# Altium PCB PCB1.PcbDoc
Units mm, origin at the board's own origin, x right, y up, seen from the top; angles counter-clockwise.
Board outline 100.33 x 81.91 mm, 2 copper layers (Top Layer, Bottom Layer); 21 components, 33 nets, 152 pads, 47 vias.
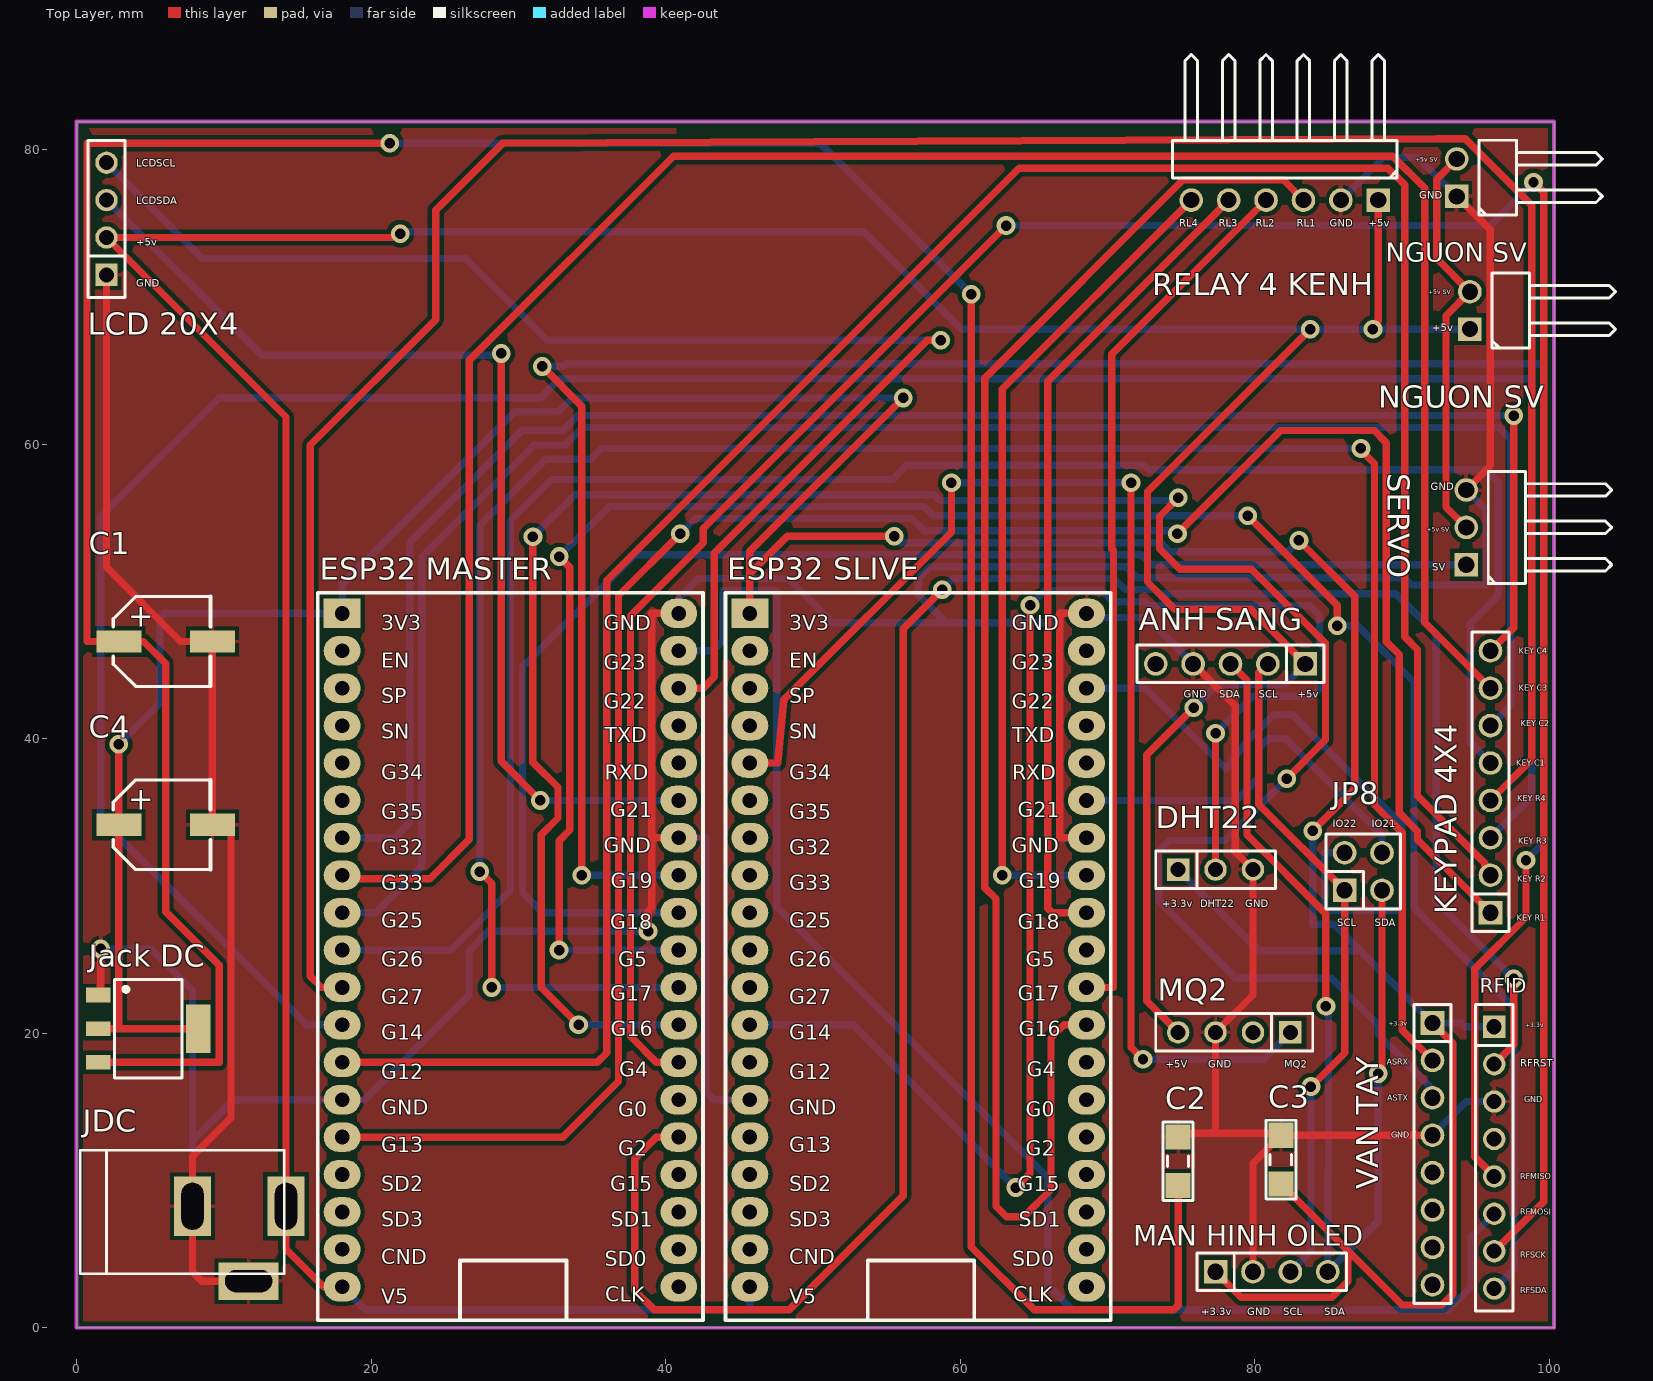
[diagram p0: Top Layer view]
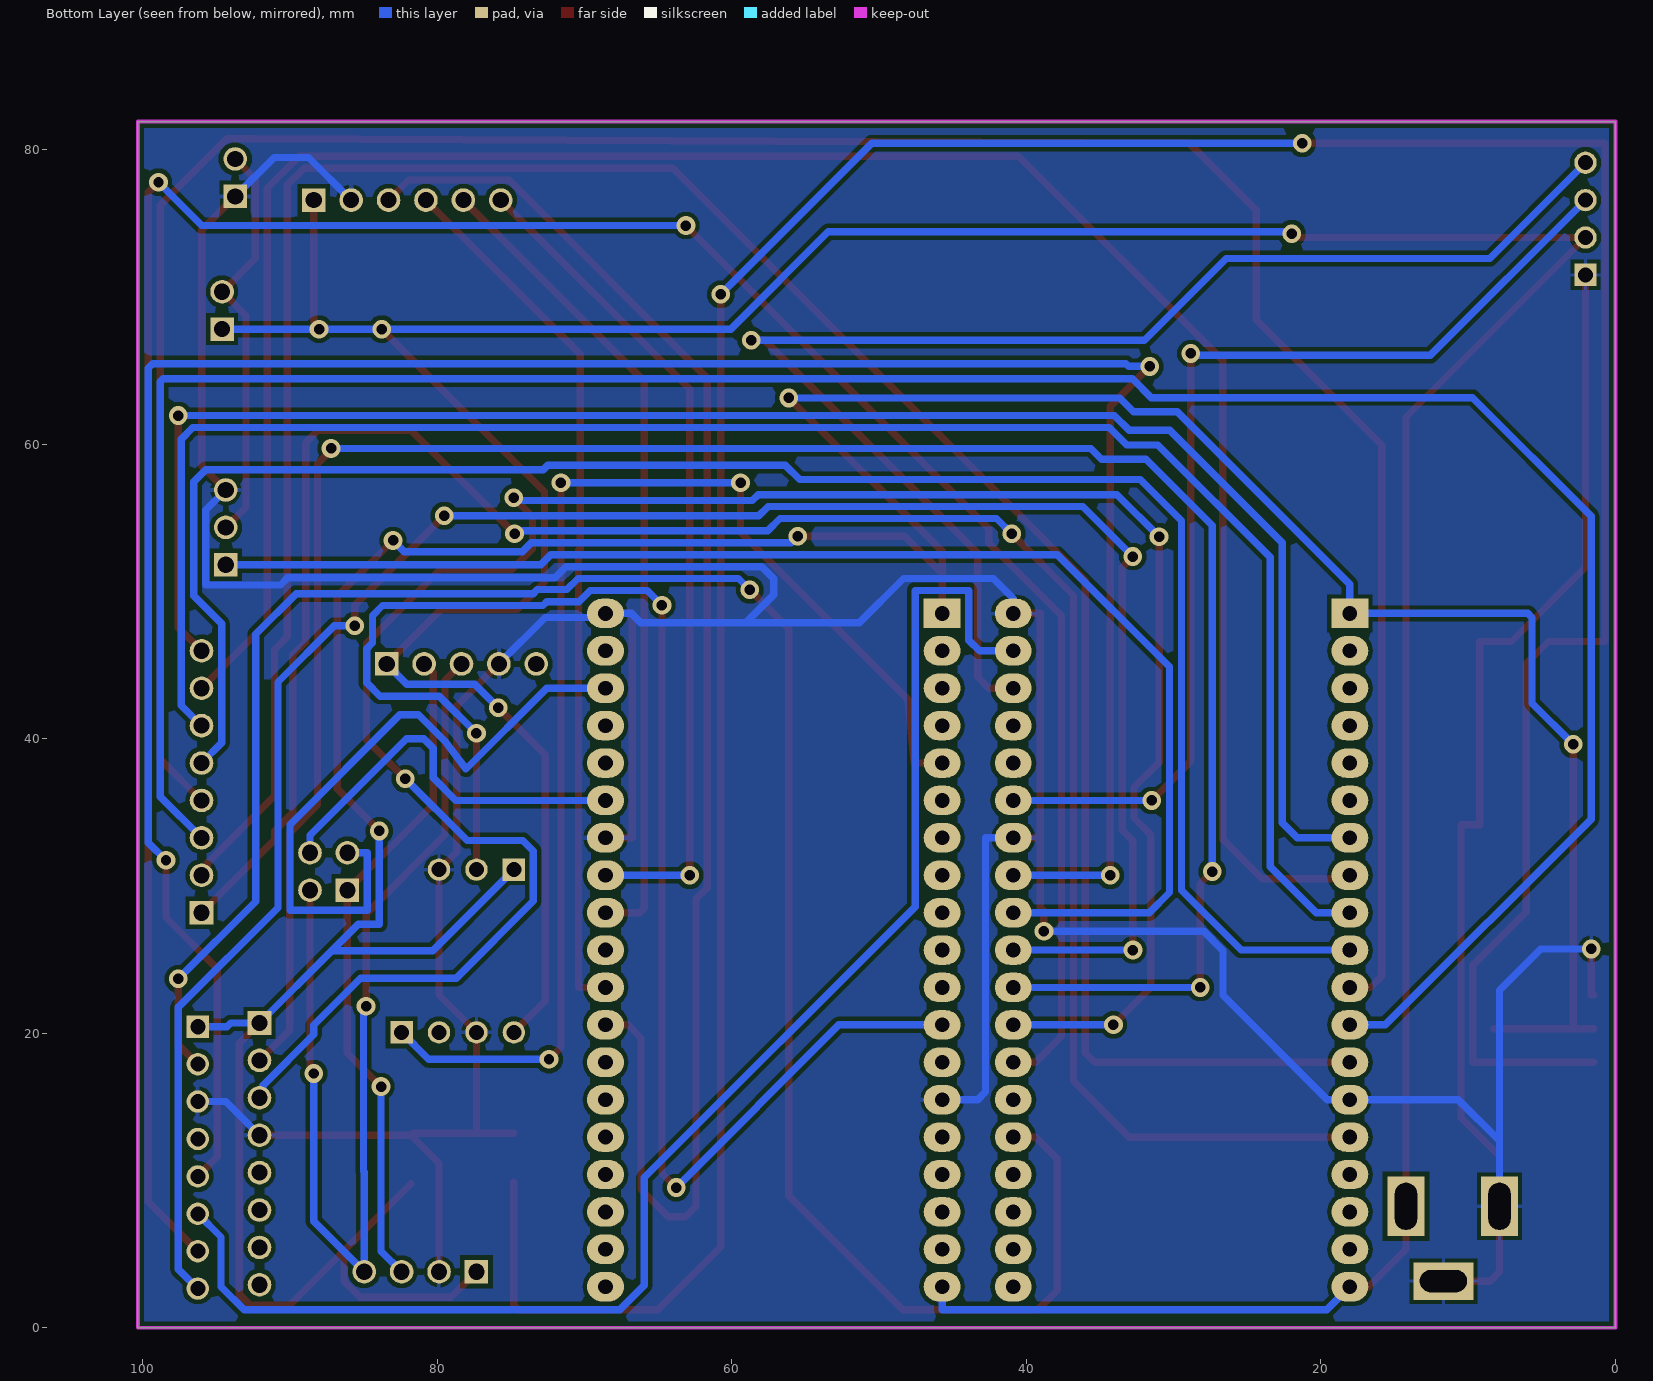
[diagram p1: Bottom Layer view, seen from below]
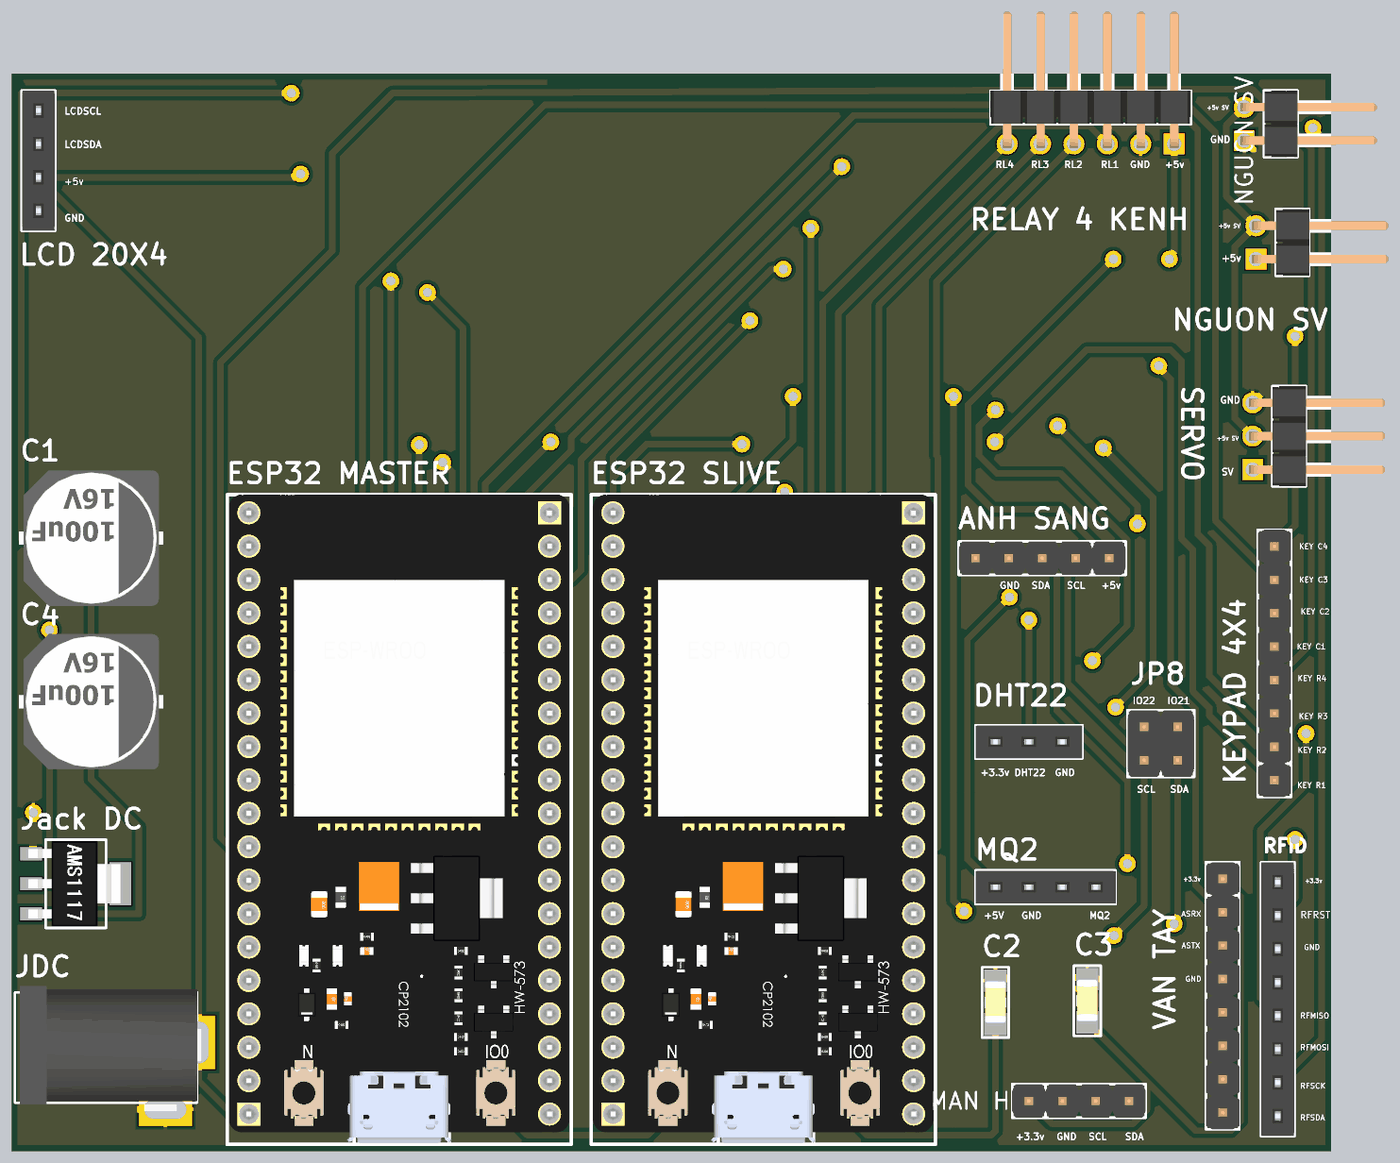
[diagram p2: 3D render of the assembled board from above, using the file's embedded part models]

## Layer stack, top to bottom
Top Solder: solder mask 0.0102, Solder Resist, Dk 3.5
Top Layer: signal copper 0.0356
Dielectric 1: dielectric 0.32, FR-4, Dk 4.8
Bottom Layer: signal copper 0.0356
Bottom Solder: solder mask 0.0102, Solder Resist, Dk 3.5

## Board outline
0,0 0,81.915 100.33,81.915 100.33,0

## Design rules (kind name [scope] priority, off if disabled: settings)
Clearance [All] p1: gap=0.31 ignorepadtopadclearanceinfootprint=FALSE
HoleSize [All] p1: absolutevalues=TRUE maxlimit=3.81 minlimit=0.025 maxpercent=80.000 minpercent=20.000
PolygonConnect [All] p1: connectstyle=Relief reliefconductorwidth=0.254 reliefentries=4 polygonreliefangle="90 Angle" airgapwidth=0.254
RoutingVias [All] p1: holewidth=0.711 width=1.27 viastyle="Through Hole" minholewidth=0.711 minwidth=1.27 maxholewidth=0.711 maxwidth=1.27
SolderMaskExpansion [All] p1: expansion=0.102 istentingtop=FALSE
Width +3.3v [All] p1: maxlimit=0.55 minlimit=0.4 preferedwidth=0.5
Width GND [All] p2: maxlimit=0.55 minlimit=0.4 preferedwidth=0.5
Width +5V [All] p3: maxlimit=0.55 minlimit=0.3 preferedwidth=0.5
Width [All] p4: maxlimit=0.5 minlimit=0.2 preferedwidth=0.3
29 further rules are at their usual default settings.

## Components (designator, comment, footprint, x,y, rotation, side; value= is the part's Value field where it differs from the comment)
"ANH SANG" "BH1750FVI" "JP 1x5 DT" 83.439,45.085 r180 top
C1 "100uF" 100UF/16V_SMD 6.046,46.609 r0 top
C2 "104" "tu 1206" 74.803,11.304 r90 top
C3 "104" "tu 1206" 81.788,11.43 r90 top
C4 "100uF" 100UF/16V_SMD 6.046,34.163 r0 top
DHT22 "DHT22" "JP 1x3 CT" 74.803,31.115 r0 top
"ESP32 MASTER" "ESP32 MASTER" ESP32_38 29.464,25.654 r0 top
"ESP32 SLIVE" "ESP32 SLIVE" ESP32_38 57.15,25.654 r0 top
"Jack DC" "AMS1117" AMS1117 4.873,20.32 r0 top
JDC "Jac DC" DC-IN 11.049,5.715 r0 top
JP8 "JP 2x2 2.54" "JP 2x2 DT" 87.376,30.988 r0 top
"KEYPAD 4X4" "KEYPAD" "JP 1x8 DT" 96.012,28.194 r90 top
"LCD 20X4" "20X4 LCD I2C" "JP 1x4 CT" 2.032,71.501 r90 top
"MAN HINH OLED" "OLED" "JP 1x4 DT" 77.343,3.81 r0 top
MQ2 "MQ2" "JP 1x4 CT" 82.423,20.066 r180 top
"NGUON SV" "Nguồn SERVO" "JP 1x2 DC" 93.726,76.835 r90 top
"NGUON SV" "Nguồn" "JP 1x2 DC" 94.615,67.818 r90 top
"RELAY 4 KENH" "RELAY 4 KÊNH" "JP 1x6 DC" 74.422,79.121 r180 top
RFID "JP 1x8 2.54" "JP 1x8 CT" 96.266,20.447 r270 top
SERVO "SERVO" "JP 1x3 DC" 96.901,58.166 r90 top
"VAN TAY" "JP 1x8 2.54" "JP 1x8 DT" 92.075,20.701 r270 top

## Footprints (in the part's own frame and the unit in brackets; to place one, negate y for a bottom-side part, rotate by r counter-clockwise, add the part's x,y. Pads: shape width x height; smd on the part's side, far side on the other; paste and mask are expansions set on the pad)
100UF/16V_SMD [mil]
  rect 120x60 smd: 1(-125,0) 2(125,0)
  silkscreen extent -140,-120 120,120, body extent -217,-203 217,203, height 311
AMS1117 [mm] "SOT-223"
  rect 1.65x1 smd: 1(-3.4,2.29) 2(-3.4,0) 3(-3.4,-2.29)
  rect 1.65x3.3 smd: 2(3.4,0)
  silkscreen extent -2.3,-3.35 2.3,3.35, body extent -3.6,-3.25 3.4,3.25, height 1.87
DC-IN [mm] "Jac DC input"
  rect 2.54x4.064 hole 1.5 slot 3.2 at 90 deg: 1(3.175,2.54) 2(-3.175,2.54)
  rect 4.064x2.54 hole 1.5 slot 3.2 at 0 deg: 3(0.635,-2.54)
  silkscreen extent -10.79,-2.03 3.05,6.35, body extent -10.42,-2.67 3.4,6.84, height 11.02
ESP32_38 [mm] "Microcontoller Board 38 Pins Wifi 2.4GHz BLE 4.2 ESP32-WROOM-32D"
  rect 2.5x2 hole 1: 1(-11.43,22.86)
  oval 2.5x2 hole 1: 2(-11.43,20.32) 3(-11.43,17.78) 4(-11.43,15.24) 5(-11.43,12.7) 6(-11.43,10.16) 7(-11.43,7.62) 8(-11.43,5.08) 9(-11.43,2.54) 10(-11.43,0) 11(-11.43,-2.54) 12(-11.43,-5.08) 13(-11.43,-7.62) 14(-11.43,-10.16) 15(-11.43,-12.7) 16(-11.43,-15.24) 17(-11.43,-17.78) 18(-11.43,-20.32) 19(-11.43,-22.86) 20(11.43,-22.86) 21(11.43,-20.32) 22(11.43,-17.78) 23(11.43,-15.24) 24(11.43,-12.7) 25(11.43,-10.16) 26(11.43,-7.62) 27(11.43,-5.08) 28(11.43,-2.54) 29(11.43,0) 30(11.43,2.54) 31(11.43,5.08) 32(11.43,7.62) 33(11.43,10.16) 34(11.43,12.7) 35(11.43,15.24) 36(11.43,17.78) 37(11.43,20.32) 38(11.43,22.86)
  silkscreen extent -13.08,-25.15 13.08,24.26, body extent -12.95,-25.04 12.95,24.28, height 7.2
"JP 1x2 DC" [mm] "JP 1x2 DC"
  rect 1.6x1.6 hole 1.1: 1(0,0)
  round 1.6 hole 1.1: 2(2.54,0)
  silkscreen extent -1.27,-9.88 3.81,-1.5, body extent -1.27,-10.06 3.81,0.3, height 2.55
"JP 1x3 CT" [mm]
  rect 1.52x1.52 hole 1.02: 1(0,0)
  round 1.52 hole 1.02: 2(2.54,0) 3(5.08,0)
  silkscreen extent -1.52,-1.27 6.6,1.27, body extent -1.52,-1.25 6.6,1.25, height 8.51
"JP 1x3 DC" [mm]
  rect 1.6x1.6 hole 1.1: 1(-6.35,2.54)
  round 1.6 hole 1.1: 2(-3.81,2.54) 3(-1.27,2.54)
  silkscreen extent -7.62,-7.34 0,1.04, body extent -7.62,-7.52 0,2.84, height 2.55
"JP 1x4 CT" [mm]
  rect 1.52x1.52 hole 1.02: 1(0,0)
  round 1.52 hole 1.02: 2(2.54,0) 3(5.08,0) 4(7.62,0)
  silkscreen extent -1.52,-1.27 9.14,1.27, body extent -1.52,-1.25 9.14,1.25, height 8.51
"JP 1x4 DT" [mm] "4 pins, 1 row, straight, gold plating"
  rect 1.6x1.6 hole 1.1: 1(0,0)
  round 1.6 hole 1.1: 2(2.54,0) 3(5.08,0) 4(7.62,0)
  silkscreen extent -1.27,-1.27 8.89,1.27, body extent -1.27,-1.27 8.89,1.27, height 8.54
"JP 1x5 DT" [mm] "5 pins, 1 row, straight, gold plating"
  rect 1.6x1.6 hole 1.1: 1(0,0)
  round 1.6 hole 1.1: 2(2.54,0) 3(5.08,0) 4(7.62,0) 5(10.16,0)
  silkscreen extent -1.27,-1.27 11.43,1.27, body extent -1.27,-1.27 11.43,1.27, height 8.54
"JP 1x6 DC" [mm] "6 pins, 1 row, right angled, gold plating"
  rect 1.6x1.6 hole 1.1: 1(-13.97,2.54)
  round 1.6 hole 1.1: 2(-11.43,2.54) 3(-8.89,2.54) 4(-6.35,2.54) 5(-3.81,2.54) 6(-1.27,2.54)
  silkscreen extent -15.24,-7.34 0,1.04, body extent -15.24,-7.52 0,2.84, height 2.54
"JP 1x8 CT" [mm] "8 row, straight, gold plating"
  rect 1.52x1.52 hole 1.02: 1(0,0)
  round 1.52 hole 1.02: 2(2.54,0) 3(5.08,0) 4(7.62,0) 5(10.16,0) 6(12.7,0) 7(15.24,0) 8(17.78,0)
  silkscreen extent -1.52,-1.27 19.3,1.27, body extent -1.52,-1.25 19.3,1.25, height 8.51
"JP 1x8 DT" [mm] "8 pins, 1 row, straight, gold plating"
  rect 1.6x1.6 hole 1.1: 1(0,0)
  round 1.6 hole 1.1: 2(2.54,0) 3(5.08,0) 4(7.62,0) 5(10.16,0) 6(12.7,0) 7(15.24,0) 8(17.78,0)
  silkscreen extent -1.27,-1.27 19.05,1.27, body extent -1.27,-1.27 19.05,1.27, height 8.54
"JP 2x2 DT" [mm] "JP 2x2 DT"
  rect 1.6x1.6 hole 1.1: 1(-1.27,-1.27)
  round 1.6 hole 1.1: 2(1.27,-1.27) 3(1.27,1.27) 4(-1.27,1.27)
  silkscreen extent -2.54,-2.54 2.54,2.54, body extent -2.54,-2.54 2.54,2.54, height 8.55
"tu 1206" [mm]
  rect 1.7x1.7 smd: 1(-1.65,0) 2(1.65,0)
  silkscreen extent -2.67,-1.02 2.67,1.02, body extent -1.57,-0.8 1.63,0.8, height 0.94

## Part data
"ANH SANG": library part "JP 1x5 2.54 Duc Thang", "Cắm", Chung_Loai=Cắm, Don_Vi=Con, Ma_Hang=MH000903, Ten_Linh_Kien="Jump Đơn Đực 2.54MM 1x40P Thẳng 11MM"
C1 C4: library part Cap100uF_SMD
C2 C3: library part "Tu 1206 104 50V 20%", "Dán", Chung_Loai=Dán, Don_Vi=Con, Ma_Hang=MH004544, So_Chan=2, Ten_Linh_Kien="Tụ 1206 104-0.1uF 20% 50V"
DHT22: library part "JP 1x3 2.54 Cai Thang", "Cắm", Chung_Loai=Cắm, Don_Vi=Con, Ma_Hang=MH004006, Ten_Linh_Kien="Jump Đơn Cái 2.54MM 1x20P Thẳng"
"ESP32 MASTER" "ESP32 SLIVE": library part ESP32_38, "Microcontoller Board 38 Pins Wifi 2.4GHz BLE 4.2 ESP32-WROOM-32D", ComponentLink1Description=Datasheet, ComponentLink1URL=https://www.mouser.com/datasheet/2/891/esp32_wroom_32d_esp32_wroom_32u_datasheet_en-1365844.pdf
"Jack DC": "IC REG LINEAR 1A SOT-89-3L", JLCPCB PN=C963410, ComponentLink1Description=Datasheet, ComponentLink1URL=http://www.advanced-monolithic.com/pdf/ds1117.pdf, Digikey PN=4518-AMS1117-3.3CT-ND
JDC: library part DCIN, "Jac DC input"
JP8: library part "JP 2x2 2.54 Duc Thang", "Cắm", Chung_Loai=Cắm, Don_Vi=Con, Ma_Hang=MH002686, Ten_Linh_Kien="Jump Đôi Đực 2.54MM 2x40P Thẳng 11MM"
"KEYPAD 4X4" "VAN TAY": library part "JP 1x8 2.54 Duc Thang", "Cắm", Chung_Loai=Cắm, Don_Vi=Con, Ma_Hang=MH000903, Ten_Linh_Kien="Jump Đơn Đực 2.54MM 1x40P Thẳng 11MM"
"LCD 20X4" MQ2: library part "JP 1x4 2.54 Cai Thang", "Cắm", Chung_Loai=Cắm, Don_Vi=Con, Ma_Hang=MH004006, Ten_Linh_Kien="Jump Đơn Cái 2.54MM 1x20P Thẳng"
"MAN HINH OLED": library part "JP 1x4 2.54 Duc Thang", "Cắm", Chung_Loai=Cắm, Don_Vi=Con, Ma_Hang=MH000903, Ten_Linh_Kien="Jump Đơn Đực 2.54MM 1x40P Thẳng 11MM"
"NGUON SV" "NGUON SV": library part "JP 1x2 2.54 Duc Cong", "Cắm", Chung_Loai=Cắm, Don_Vi=Con, Ma_Hang=MH000904, Ten_Linh_Kien="Jump Đơn Đực 2.54MM 1x40P Cong Đứng"
"RELAY 4 KENH": library part "JP 1x6 2.54 Duc Cong", "Cắm", Chung_Loai=Cắm, Don_Vi=Con, Ma_Hang=MH000904, Ten_Linh_Kien="Jump Đơn Đực 2.54MM 1x40P Cong Đứng"
RFID: library part "JP 1x8 2.54 Cai Thang", "Cắm", Chung_Loai=Cắm, Don_Vi=Con, Ma_Hang=MH004006, Ten_Linh_Kien="Jump Đơn Cái 2.54MM 1x20P Thẳng"
SERVO: library part "JP 1x3 2.54 Duc Cong", "Cắm", Chung_Loai=Cắm, Don_Vi=Con, Ma_Hang=MH000904, Ten_Linh_Kien="Jump Đơn Đực 2.54MM 1x40P Cong Đứng"

## Via types
v1: diameter 1.27, hole 0.711, Top Layer to Bottom Layer, 47 vias

## Nets (pads, with @x,y where several pads share a name; then routed paths per layer and width w, separated by ;. In a path a pad name is that pad's centre, name@x,y a point inside that pad or via, vN(x,y) a via of type N, cw(c..) or ccw(c..) an arc to the next point about the centre after c; other vN are vias at no path point)
+3.3V: "ESP32 MASTER.1" "ESP32 SLIVE.1" "Jack DC.2" "MAN HINH OLED.1" "VAN TAY.1" C3.1 C4.1 DHT22.1 RFID.1 | length 256.9
  Top Layer w0.5: 1.473,20.32 2.87,20.32 ; v1(2.87,39.624) C4.1 2.87,20.32 ; 8.273,20.32 2.87,20.32 ; 45.72,48.514 45.72,51.206 ; v1(55.524,53.746) 48.26,53.746 45.72,51.206 ; v1(56.134,63.144) 45.72,52.73 45.72,51.206 ; 77.343,3.81 79.07,2.083 85.242,2.083 86.335,3.175 86.335,5.233 ; C3.1 86.335,5.233 ; v1(83.007,53.467) 86.793,49.681 86.793,36.603 v1(83.936,33.746) ; 92.075,20.701 93.447,19.329 93.447,2.286 92.71,1.549 90.019,1.549 86.335,5.233
  Bottom Layer w0.5: v1(2.87,39.624) 5.664,42.418 5.664,48.221 5.957,48.514 18.034,48.514 18.034,50.495 29.758,62.219 32.729,62.219 33.655,63.144 v1(56.134,63.144) ; v1(55.524,53.746) 55.957,53.314 73.63,53.314 74.239,52.705 82.245,52.705 v1(83.007,53.467) ; DHT22.1 80.315,25.603 87.173,25.603 ; v1(83.936,33.746) 83.936,27.418 85.358,27.418 87.173,25.603 ; RFID.1 94.285,20.447 94.031,20.701 92.075,20.701 87.173,25.603
+5: "ANH SANG.1" "ESP32 MASTER.19" "ESP32 SLIVE.19" "LCD 20X4.2" "NGUON SV.1"@94.615,67.818 "RELAY 4 KENH.1" JDC.1 MQ2.4 | length 280.7
  Top Layer w0.5: 18.034,2.794 16.764,2.794 14.224,5.334 JDC.1 14.224,61.849 2.032,74.041 21.509,74.041 21.763,74.295 v1(21.971,74.295) ; MQ2.4 72.669,22.2 72.669,38.913 v1(75.87,42.113) ; 83.439,45.085 79.731,48.793 74.574,48.793 72.72,50.648 72.72,56.769 v1(83.769,67.818) ; v1(88.028,67.818) 88.028,68.026 88.392,68.39 88.392,76.581
  Bottom Layer w0.5: 18.034,2.794 19.609,1.219 45.72,1.219 45.72,2.794 ; v1(21.971,74.295) 22.098,74.422 53.467,74.422 60.071,67.818 v1(83.769,67.818) 88.392,67.818 94.615,67.818 ; v1(75.87,42.113) 77.47,43.713 82.067,43.713 83.439,45.085
+5V: "Jack DC.3" C1.1 C2.1 | length 229.9
  Top Layer w0.5: 1.473,18.03 9.677,18.03 9.677,24.613 6.045,28.245 6.045,45.11 4.547,46.609 C1.1 0.711,46.609 0.711,80.442 v1(21.26,80.442) ; v1(60.757,70.18) 60.757,5.486 65.024,1.219 74.498,1.219 74.803,1.524 C2.1@74.803,9.907
  Bottom Layer w0.5: v1(21.26,80.442) 50.495,80.442 v1(60.757,70.18)
+5V_SV: "NGUON SV.2" SERVO.2 | length 27.8
  Top Layer w0.5: 93.726,79.375 92.354,78.003 92.354,72.619 94.615,70.358 92.989,68.732 92.989,55.728 SERVO.2
ASRX: "ESP32 MASTER.28" "VAN TAY.2" | length 150
  Top Layer w0.5: v1(27.381,30.988) 28.194,30.175 v1(28.194,23.114) ; v1(87.218,59.715) 87.218,59.585 88.132,58.671 88.132,35.504 90.018,33.618 90.018,20.218 92.075,18.161
  Bottom Layer w0.5: v1(27.381,30.988) 27.381,54.481 31.879,58.979 34.9,58.979 35.636,59.715 v1(87.218,59.715) ; v1(28.194,23.114) 40.894,23.114
ASTX: "ESP32 MASTER.27" "VAN TAY.3" | length 154.6
  Top Layer w0.5: v1(30.988,53.721) 30.988,38.405 32.691,36.702 32.691,34.62 31.547,33.476 31.547,23.114 v1(34.087,20.574) ; v1(74.803,56.361) 73.533,55.091 73.533,52.908 74.93,51.511 79.781,51.511 84.811,46.482 84.811,39.929 v1(82.169,37.287)
  Bottom Layer w0.5: v1(30.988,53.721) 33.848,56.581 58.216,56.581 58.616,56.181 74.623,56.181 v1(74.803,56.361) ; v1(34.087,20.574) 40.894,20.574 ; v1(82.169,37.287) 77.978,33.096 74.193,33.096 73.482,32.385 73.482,28.981 78.715,23.749 85.217,23.749 88.396,20.57 88.396,19.916 91.865,16.448 91.865,15.831 92.075,15.621
DHT22: "ESP32 SLIVE.12" DHT22.2 | length 106.2
  Top Layer w0.5: v1(63.779,9.525) 64.745,10.49 v1(64.745,49.073) ; DHT22.2 v1(77.343,40.386)
  Bottom Layer w0.5: 45.72,20.574 52.73,20.574 v1(63.779,9.525) ; v1(64.745,49.073) 65.746,50.074 69.611,50.074 70.383,49.301 72.568,49.301 72.822,49.047 83.718,49.047 84.403,48.363 84.403,46.513 84.799,46.117 84.799,43.803 83.896,42.901 79.858,42.901 v1(77.343,40.386)
GND: "ANH SANG.4" "ESP32 MASTER.14" "ESP32 MASTER.32" "ESP32 MASTER.38" "ESP32 SLIVE.14" "ESP32 SLIVE.32" "ESP32 SLIVE.38" "Jack DC.1" "LCD 20X4.1" "MAN HINH OLED.2" "NGUON SV.1"@93.726,76.835 "RELAY 4 KENH.2" "VAN TAY.4" C1.2 C2.2 C3.2 C4.2 DHT22.3 JDC.2 JDC.3 MQ2.3 RFID.3 SERVO.3 | length 397.6
  Top Layer w0.5: 1.473,22.61 1.651,22.61 v1(1.651,25.73) ; 2.032,71.501 2.032,51.638 7.061,46.609 C1.2 C4.2 10.49,34.163 10.49,14.275 7.874,11.659 JDC.2 7.874,3.81 8.509,3.175 JDC.3 ; v1(38.807,26.924) 38.815,26.932 38.815,28.309 39.065,28.559 39.065,33.274 ; 40.894,33.274 39.065,33.274 ; 40.894,48.514 39.065,48.514 39.065,33.274 ; 68.58,33.274 66.751,33.274 66.751,48.514 68.58,48.514 ; C2.2@74.803,13.207 77.088,13.207 ; 75.819,45.085 78.668,42.236 78.668,32.33 DHT22.3 79.883,22.606 MQ2.3 77.343,13.462 77.088,13.207 ; 79.883,3.81 79.883,11.175 C3.2 81.661,13.207 77.088,13.207 ; C3.2 92.075,13.081 ; 93.726,76.835 95.987,74.574 95.987,58.522 SERVO.3
  Bottom Layer w0.5: v1(1.651,25.73) 5.08,25.73 7.874,22.936 7.874,12.7 ; JDC.2 7.874,12.7 ; v1(38.807,26.924) 27.965,26.924 26.645,25.603 26.645,22.581 19.558,15.494 18.034,15.494 10.668,15.494 7.874,12.7 ; 40.894,33.274 42.774,33.274 42.774,16.027 43.307,15.494 45.72,15.494 ; 40.894,48.514 40.894,49.53 42.248,50.884 48.34,50.884 51.346,47.878 59.056,47.878 ; 75.819,45.085 72.664,48.24 69.58,48.24 69.58,48.514 68.58,48.514 66.829,48.514 66.192,47.878 59.056,47.878 ; 85.852,76.581 88.748,79.477 91.084,79.477 93.726,76.835 ; 92.075,13.081 94.361,15.367 RFID.3 ; SERVO.3 95.721,55.536 95.721,50.444 90.653,50.444 90.153,50.944 72.01,50.944 71.26,51.694 57.967,51.694 57.15,50.877 57.15,49.784 59.056,47.878
IO21: "ESP32 SLIVE.33" JP8.3 | length 26.9
  Bottom Layer w0.5: 68.58,35.814 78.74,35.814 80.288,37.362 80.288,39.37 80.923,40.005 82.094,40.005 88.646,33.453 JP8.3
IO22: "ESP32 SLIVE.36" JP8.4 | length 44.8
  Bottom Layer w0.5: 68.58,43.434 72.568,43.434 78.057,37.949 79.478,39.827 81.28,41.629 82.55,41.629 90.006,34.173 90.006,28.346 84.746,28.346 84.746,32.258 JP8.4
KEY_C1: "ESP32 MASTER.10" "KEYPAD 4X4.5" | length 127.8
  Bottom Layer w0.5: 18.034,25.654 25.4,25.654 29.464,29.718 29.464,54.811 32.261,57.607 55.397,57.607 56.364,58.574 72.492,58.574 72.798,58.268 95.733,58.268 96.545,57.455 96.545,49.708 94.64,47.803 94.64,39.726 96.012,38.354
KEY_C2: "ESP32 MASTER.9" "KEYPAD 4X4.6" | length 125.7
  Bottom Layer w0.5: 18.034,28.194 20.32,28.194 23.444,31.318 23.444,52.329 31.069,59.954 33.185,59.954 34.368,61.138 96.596,61.138 97.384,60.35 97.384,42.266 96.012,40.894
KEY_C3: "ESP32 MASTER.8" "KEYPAD 4X4.7" | length 149.7
  Top Layer w0.5: 18.034,30.734 18.262,30.506 24.003,30.506 26.67,33.173 26.67,65.698 40.533,79.561 89.382,79.561 91.544,77.398 91.544,47.902 96.012,43.434
KEY_C4: "ESP32 MASTER.7" "KEYPAD 4X4.8" | length 119.2
  Top Layer w0.5: 96.012,45.974 97.587,47.549 v1(97.587,61.949)
  Bottom Layer w0.5: 18.034,33.274 21.615,33.274 22.631,34.29 22.631,53.318 30.259,60.946 33.019,60.946 34.022,61.949 v1(97.587,61.949)
KEY_R1: "ESP32 MASTER.15" "KEYPAD 4X4.1" | length 146.2
  Top Layer w0.5: 18.034,12.954 33.02,12.954 36.802,16.736 36.802,49.731 v1(40.996,53.924) ; v1(74.752,53.924) 81.763,60.935 88.12,60.935 88.942,60.113 88.942,46.588 89.81,45.72 89.81,34.971 91.059,33.722 91.059,33.147 96.012,28.194
  Bottom Layer w0.5: v1(40.996,53.924) 42.033,54.961 56.73,54.961 57.567,54.124 74.552,54.124 v1(74.752,53.924)
KEY_R2: "ESP32 MASTER.13" "KEYPAD 4X4.2" | length 165.9
  Top Layer w0.5: 18.034,18.034 35.357,18.034 35.992,18.669 35.992,50.747 63.996,78.751 89.046,78.751 90.184,77.613 90.184,46.923 91.052,46.055 91.052,36.126 95.632,31.546 95.632,31.412 96.012,31.032 96.012,30.734
KEY_R3: "ESP32 MASTER.12" "KEYPAD 4X4.3" | length 176
  Bottom Layer w0.5: 18.034,20.574 15.621,20.574 1.651,34.544 1.651,55.118 9.703,63.17 31.521,63.17 32.791,64.44 98.603,64.44 98.806,64.237 98.806,36.068 96.012,33.274
KEY_R4: "ESP32 MASTER.11" "KEYPAD 4X4.4" | length 177.8
  Top Layer w0.5: 18.034,23.114 16.637,23.114 15.875,23.876 15.875,59.948 24.384,68.457 24.384,75.895 28.931,80.442 92.354,80.747 94.295,80.747 98.806,76.236 98.806,38.608 96.012,35.814
LCDSCL: "ESP32 MASTER.36" "LCD 20X4.4" | length 94.1
  Top Layer w0.5: 40.894,43.434 42.545,43.434 43.307,44.196 43.307,52.594 57.769,67.056 v1(58.674,67.056)
  Bottom Layer w0.5: 2.032,79.121 8.534,72.619 26.416,72.619 31.979,67.056 v1(58.674,67.056)
LCDSDA: "ESP32 MASTER.33" "LCD 20X4.3" | length 72.1
  Top Layer w0.5: v1(28.829,66.167) 28.829,38.481 v1(31.496,35.814)
  Bottom Layer w0.5: 2.032,76.581 12.573,66.04 28.702,66.04 v1(28.829,66.167) ; v1(31.496,35.814) 40.894,35.814
MQ2: "ESP32 SLIVE.5" MQ2.1 | length 88.1
  Top Layer w0.5: 45.72,38.354 47.625,38.354 48.031,42.647 59.411,54.026 v1(59.411,57.379) ; v1(71.603,57.379) 71.603,19.05 v1(72.415,18.237)
  Bottom Layer w0.5: v1(59.411,57.379) v1(71.603,57.379) ; v1(72.415,18.237) 80.594,18.237 MQ2.1
RFMISO: "ESP32 MASTER.31" RFID.5 | length 167.8
  Top Layer w0.5: v1(31.615,65.286) 34.311,62.59 v1(34.311,30.734) ; RFID.5 94.945,11.608 94.945,24.384 98.424,27.863 v1(98.424,31.75)
  Bottom Layer w0.5: v1(31.615,65.286) 33.063,65.286 33.25,65.473 99.326,65.473 99.619,65.18 99.619,32.945 v1(98.424,31.75) ; v1(34.311,30.734) 40.894,30.734
RFMOSI: "ESP32 MASTER.37" RFID.6 | length 100.8
  Bottom Layer w0.5: 40.894,45.974 43.18,45.974 43.91,46.704 43.91,50.074 47.549,50.074 47.549,28.6 65.938,10.211 65.938,2.896 67.615,1.219 93.116,1.219 94.691,2.794 94.691,6.172 RFID.6
RFRST: "ESP32 MASTER.24" RFID.2 | length 144.2
  Top Layer w0.5: 40.894,12.954 39.37,12.954 37.897,11.481 37.897,2.54 39.218,1.219 48.387,1.219 56.134,8.966 56.134,47.473 v1(58.776,50.114) ; RFID.2 97.587,19.228 v1(97.587,23.698)
  Bottom Layer w0.5: v1(58.776,50.114) 59.545,50.884 70.45,50.884 71.2,50.134 73.208,50.134 73.482,49.86 89.586,49.86 92.329,47.117 92.329,28.956 v1(97.587,23.698)
RFSCK: "ESP32 MASTER.26" RFID.7 | length 180.9
  Top Layer w0.5: 40.894,18.034 39.37,18.034 37.612,19.792 37.612,48.362 42.549,53.299 42.549,54.284 v1(63.119,74.854) ; RFID.7 99.619,8.56 99.619,77.114 v1(98.933,77.8)
  Bottom Layer w0.5: v1(63.119,74.854) 95.987,74.854 v1(98.933,77.8)
RFSDA: "ESP32 MASTER.29" RFID.8 | length 145.2
  Top Layer w0.5: v1(32.766,25.654) 32.766,33.074 33.501,33.809 33.501,51.642 v1(32.767,52.376) ; v1(79.527,55.143) 85.598,49.073 v1(85.598,47.676)
  Bottom Layer w0.5: v1(32.766,25.654) 40.894,25.654 ; v1(32.767,52.376) 36.163,55.771 57.54,55.771 58.168,55.143 v1(79.527,55.143) ; v1(85.598,47.676) 86.995,47.676 90.816,43.855 90.816,28.539 97.587,21.768 97.587,3.988 RFID.8
RL1: "ESP32 SLIVE.27" "RELAY 4 KENH.3" | length 102.2
  Top Layer w0.5: 68.58,20.574 67.056,20.574 66.167,19.685 66.167,9.398 64.313,7.544 63.144,7.544 62.433,8.255 62.433,29.134 61.67,29.897 61.67,64.489 75.122,77.941 81.952,77.941 83.312,76.581
RL2: "ESP32 SLIVE.28" "RELAY 4 KENH.4" | length 59.7
  Top Layer w0.5: 68.58,23.114 70.409,23.114 70.409,52.798 70.302,52.904 70.302,66.111 80.772,76.581
RL3: "ESP32 SLIVE.30" "RELAY 4 KENH.5" | length 55.9
  Top Layer w0.5: 68.58,28.194 66.243,28.194 65.94,28.498 65.94,64.289 78.232,76.581
RL4: "ESP32 SLIVE.31" "RELAY 4 KENH.6" | length 56.9
  Top Layer w0.5: v1(62.865,30.734) 62.865,63.754 75.692,76.581
  Bottom Layer w0.5: v1(62.865,30.734) 68.58,30.734
SCL: "ANH SANG.2" "MAN HINH OLED.3" JP8.1 | length 45.5
  Top Layer w0.5: 80.899,45.085 80.288,44.474 80.288,35.536 JP8.1 86.106,18.669 v1(83.82,16.383)
  Bottom Layer w0.5: 82.423,3.81 83.82,5.207 v1(83.82,16.383)
SDA: "ANH SANG.3" "MAN HINH OLED.4" JP8.2 | length 71.5
  Top Layer w0.5: 78.359,45.085 79.478,43.966 79.478,33.475 84.836,28.117 v1(84.836,21.844) ; v1(88.392,17.272) 88.646,17.526 JP8.2
  Bottom Layer w0.5: v1(84.836,21.844) 84.836,21.636 85.015,21.457 85.015,10.624 84.963,10.572 84.963,3.81 88.392,7.239 v1(88.392,17.272)
SERVO: "ESP32 MASTER.30" SERVO.1 | length 94
  Bottom Layer w0.5: 40.894,28.194 31.648,28.194 30.277,29.566 30.277,44.882 37.899,52.504 72.288,52.504 72.976,51.816 SERVO.1
pads on no net: "ANH SANG.5" "ESP32 MASTER.2" "ESP32 MASTER.3" "ESP32 MASTER.4" "ESP32 MASTER.5" "ESP32 MASTER.6" "ESP32 MASTER.16" "ESP32 MASTER.17" "ESP32 MASTER.18" "ESP32 MASTER.20" "ESP32 MASTER.21" "ESP32 MASTER.22" "ESP32 MASTER.23" "ESP32 MASTER.25" "ESP32 MASTER.34" "ESP32 MASTER.35" "ESP32 SLIVE.2" "ESP32 SLIVE.3" "ESP32 SLIVE.4" "ESP32 SLIVE.6" "ESP32 SLIVE.7" "ESP32 SLIVE.8" "ESP32 SLIVE.9" "ESP32 SLIVE.10" "ESP32 SLIVE.11" "ESP32 SLIVE.13" "ESP32 SLIVE.15" "ESP32 SLIVE.16" "ESP32 SLIVE.17" "ESP32 SLIVE.18" "ESP32 SLIVE.20" "ESP32 SLIVE.21" "ESP32 SLIVE.22" "ESP32 SLIVE.23" "ESP32 SLIVE.24" "ESP32 SLIVE.25" "ESP32 SLIVE.26" "ESP32 SLIVE.29" "ESP32 SLIVE.34" "ESP32 SLIVE.35" "ESP32 SLIVE.37" "VAN TAY.5" "VAN TAY.6" "VAN TAY.7" "VAN TAY.8" MQ2.2 RFID.4

## Polygon pours and split planes (outlines as drawn)
GND on Bottom Layer "GND_L02_P000" (solid, pour order 0): 0,81.915 0,0 100.33,0 100.33,81.915
GND on Top Layer "GND_L01_P001" (solid, pour order 1): 0.006,81.894 0,81.887 0,0 100.33,0 100.33,81.915

## Keep-outs
Keep-Out Layer:
  the board outline again, w0.254

## Silkscreen, mask and mechanical layers (free items; w line width, h text height)
Top Overlay:
  text "+5v SV" at 90.912,79.201 h0.3
  text "LCDSCL" at 4.066,78.84 h0.5
  text "GND" at 91.183,76.681 h0.5
  text "LCDSDA" at 4.066,76.3 h0.5
  text "RL4" at 74.867,74.776 h0.5
  text "RL3" at 77.546,74.776 h0.5
  text "RL2" at 80.086,74.776 h0.5
  text "RL1" at 82.86,74.776 h0.5
  text "GND" at 85.087,74.776 h0.5
  text "+5v" at 87.739,74.776 h0.5
  text "+5v" at 4.046,73.486 h0.5
  text "GND" at 4.066,70.712 h0.5
  text "+5v SV" at 91.801,70.204 h0.3
  text "+5v" at 92.057,67.664 h0.5
  text "GND" at 91.945,56.869 h0.5
  text "+5v SV" at 91.674,54.055 h0.3
  text "SV" at 92.043,51.408 h0.5
  text "KEY C4" at 97.921,45.79 h0.4
  text "KEY C3" at 97.93,43.25 h0.4
  text "GND" at 75.181,42.772 h0.5
  text "SDA" at 77.596,42.772 h0.5
  text "SCL" at 80.285,42.772 h0.5
  text "+5v" at 82.913,42.772 h0.5
  text "KEY C2" at 98.057,40.837 h0.4
  text "KEY C1" at 97.762,38.17 h0.4
  text "KEY R4" at 97.815,35.757 h0.4
  text "IO22" at 85.289,34.009 h0.5
  text "IO21" at 87.936,34.009 h0.5
  text "KEY R3" at 97.913,32.874 h0.4
  text "KEY R2" at 97.824,30.296 h0.4
  text "+3.3v" at 73.721,28.548 h0.5
  text "DHT22" at 76.299,28.548 h0.5
  text "GND" at 79.372,28.548 h0.5
  text "KEY R1" at 97.783,27.629 h0.4
  text "SCL" at 85.619,27.278 h0.5
  text "SDA" at 88.137,27.278 h0.5
  text "+3.3v" at 89.111,20.527 h0.3
  text "+3.3v" at 98.36,20.4 h0.3
  text "ASRX" at 88.974,17.85 h0.4
  text "RFRST" at 98.042,17.723 h0.5
  text "+5V" at 73.975,17.674 h0.5
  text "GND" at 76.832,17.674 h0.5
  text "MQ2" at 82,17.674 h0.5
  text "ASTX" at 88.995,15.437 h0.4
  text "GND" at 98.296,15.31 h0.4
  text "GND" at 89.279,12.897 h0.4
  text "RFMISO" at 98.022,10.103 h0.4
  text "RFMOSI" at 98.022,7.69 h0.4
  text "RFSCK" at 98.022,4.769 h0.4
  text "RFSDA" at 98.022,2.356 h0.4
  text "+3.3v" at 76.388,0.862 h0.5
  text "GND" at 79.499,0.862 h0.5
  text "SCL" at 81.936,0.862 h0.5
  text "SDA" at 84.708,0.862 h0.5

## Text inside footprints (layer, text, board x,y; h text height)
C1: Top Overlay "+" at 3.506,47.625 h1.52
C4: Top Overlay "+" at 3.506,35.179 h1.52
"ESP32 MASTER": Top Overlay "SP" at 20.701,42.418 h1.02; Top Overlay "SD3" at 20.701,6.858 h1.02; Top Overlay "SD2" at 20.701,9.271 h1.02; Top Overlay "G32" at 20.701,32.131 h1.02; Top Overlay "SD0" at 35.86,4.191 h1.02; Top Overlay "CLK" at 35.908,1.778 h1.02; Top Overlay "G35" at 20.701,34.544 h1.02; Top Overlay "SN" at 20.701,40.005 h1.02; Top Overlay "G34" at 20.701,37.211 h1.02; Top Overlay "G14" at 20.701,19.558 h1.02; Top Overlay "G26" at 20.701,24.511 h1.02; Top Overlay "G27" at 20.701,21.971 h1.02; Top Overlay "G33" at 20.701,29.718 h1.02; Top Overlay "G25" at 20.701,27.178 h1.02; Top Overlay "TXD" at 35.86,39.751 h1.02; Top Overlay "G22" at 35.814,42.037 h1.02; Top Overlay "RXD" at 35.86,37.211 h1.02; Top Overlay "G2" at 36.767,11.684 h1.02; Top Overlay "SD1" at 36.276,6.858 h1.02; Top Overlay "G15" at 36.231,9.271 h1.02; Top Overlay "G0" at 36.767,14.351 h1.02; Top Overlay "3V3" at 20.701,47.371 h1.02; Top Overlay "EN" at 20.701,44.831 h1.02; Top Overlay "GND" at 35.814,47.371 h1.02; Top Overlay "G23" at 35.814,44.704 h1.02; Top Overlay "G5" at 36.767,24.511 h1.02; Top Overlay "G19" at 36.276,29.845 h1.02; Top Overlay "GND" at 35.814,32.258 h1.02; Top Overlay "G21" at 36.231,34.671 h1.02; Top Overlay "G17" at 36.231,22.225 h1.02; Top Overlay "G18" at 36.231,27.051 h1.02; Top Overlay "G4" at 36.852,17.035 h1.02; Top Overlay "G16" at 36.276,19.812 h1.02; Top Overlay "V5" at 20.701,1.651 h1.02; Top Overlay "GND" at 20.701,14.478 h1.02; Top Overlay "G12" at 20.701,16.891 h1.02; Top Overlay "G13" at 20.701,11.938 h1.02; Top Overlay "CND" at 20.701,4.318 h1.02
"ESP32 SLIVE": Top Overlay "SP" at 48.387,42.418 h1.02; Top Overlay "SD3" at 48.387,6.858 h1.02; Top Overlay "SD2" at 48.387,9.271 h1.02; Top Overlay "G32" at 48.387,32.131 h1.02; Top Overlay "SD0" at 63.546,4.191 h1.02; Top Overlay "CLK" at 63.594,1.778 h1.02; Top Overlay "G35" at 48.387,34.544 h1.02; Top Overlay "SN" at 48.387,40.005 h1.02; Top Overlay "G34" at 48.387,37.211 h1.02; Top Overlay "G14" at 48.387,19.558 h1.02; Top Overlay "G26" at 48.387,24.511 h1.02; Top Overlay "G27" at 48.387,21.971 h1.02; Top Overlay "G33" at 48.387,29.718 h1.02; Top Overlay "G25" at 48.387,27.178 h1.02; Top Overlay "TXD" at 63.546,39.751 h1.02; Top Overlay "G22" at 63.5,42.037 h1.02; Top Overlay "RXD" at 63.546,37.211 h1.02; Top Overlay "G2" at 64.453,11.684 h1.02; Top Overlay "SD1" at 63.962,6.858 h1.02; Top Overlay "G15" at 63.917,9.271 h1.02; Top Overlay "G0" at 64.453,14.351 h1.02; Top Overlay "3V3" at 48.387,47.371 h1.02; Top Overlay "EN" at 48.387,44.831 h1.02; Top Overlay "GND" at 63.5,47.371 h1.02; Top Overlay "G23" at 63.5,44.704 h1.02; Top Overlay "G5" at 64.453,24.511 h1.02; Top Overlay "G19" at 63.962,29.845 h1.02; Top Overlay "GND" at 63.5,32.258 h1.02; Top Overlay "G21" at 63.917,34.671 h1.02; Top Overlay "G17" at 63.917,22.225 h1.02; Top Overlay "G18" at 63.917,27.051 h1.02; Top Overlay "G4" at 64.538,17.035 h1.02; Top Overlay "G16" at 63.962,19.812 h1.02; Top Overlay "V5" at 48.387,1.651 h1.02; Top Overlay "GND" at 48.387,14.478 h1.02; Top Overlay "G12" at 48.387,16.891 h1.02; Top Overlay "G13" at 48.387,11.938 h1.02; Top Overlay "CND" at 48.387,4.318 h1.02